# Altium PCB UltraZohm_Digital_Sensor_Board_v1.01.PcbDoc (part 1 of 4) (continued)
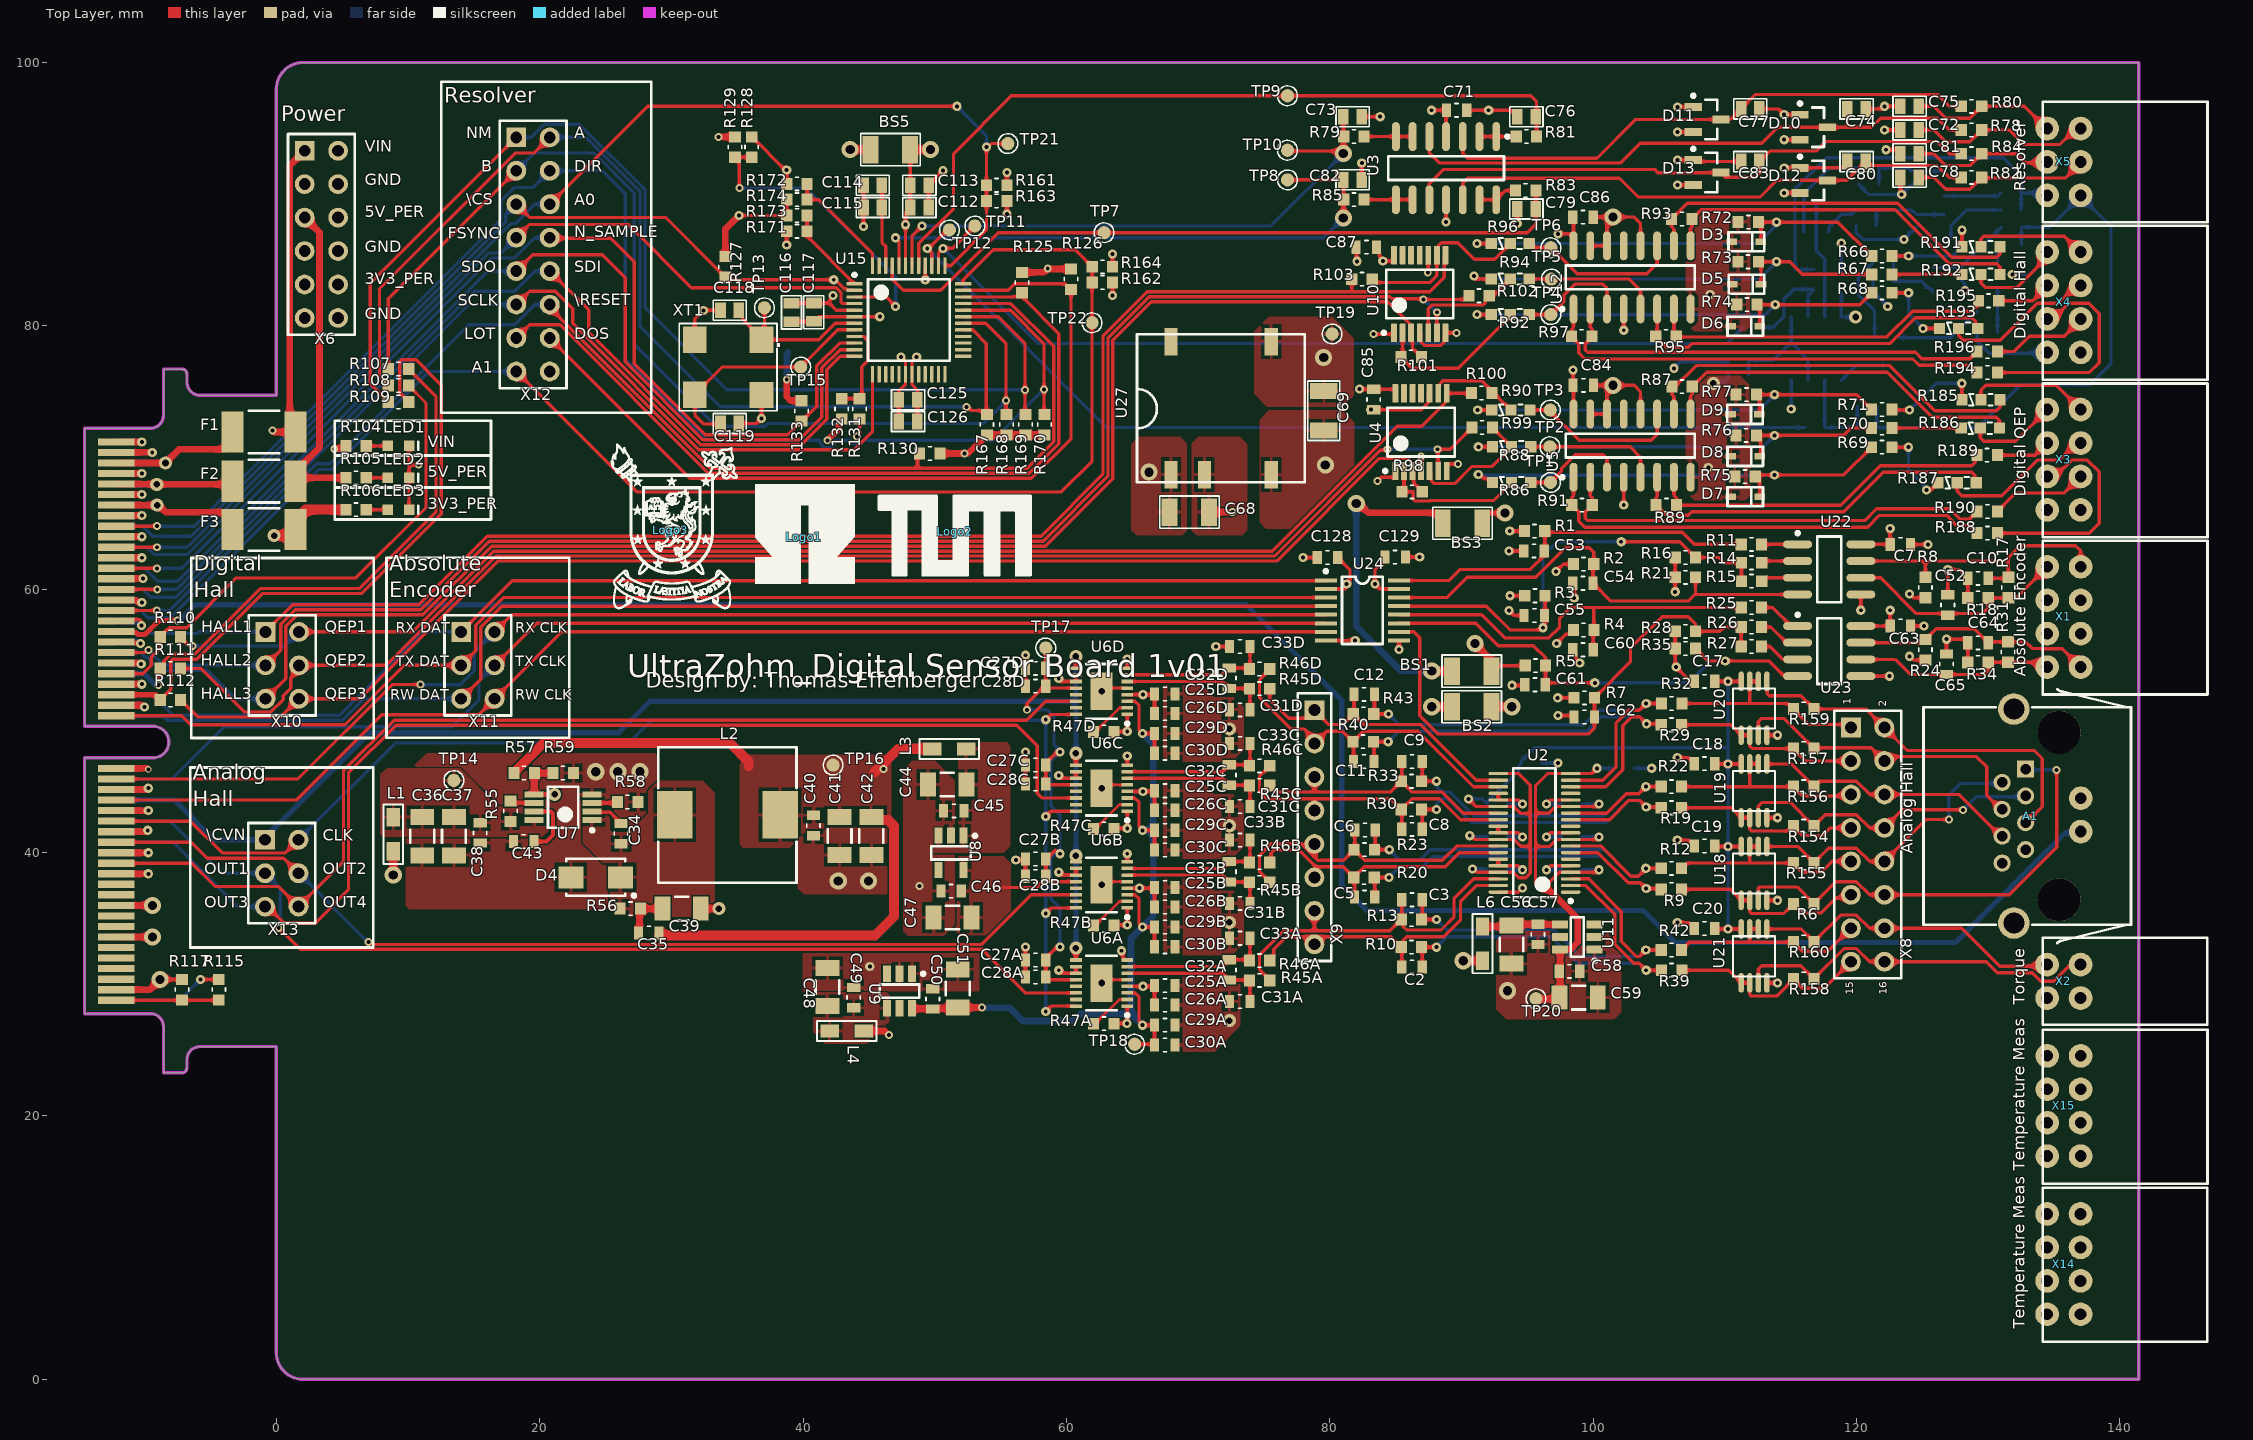
[diagram p0: Top Layer view]
## Components (designator, comment, footprint, x,y, rotation, side; value= is the part's Value field where it differs from the comment)
A1 "615008140621" 615008140621 132.967,42.778 r90 top
BS1 "Ferrite bead" RES_1206 92.285,53.781 r90 top
BS2 "Ferrite bead" RES_1206 92.285,51.081 r90 top
BS3 "Ferrite bead" RES_1206 91.585,65.007 r90 top
BS5 "Ferrite bead" RES_1206 48.13,93.388 r90 top
C2 "56pF" CAPC1608X07N 86.245,31.321 r180 top
C3 "56pF" CAPC1608X07N 86.245,36.421 r180 top
C5 "56pF" CAPC1608X07N 82.645,36.621 r180 top
C6 "56pF" CAPC1608X07N 82.67,41.721 r180 top
C7 "100nF" CAPC1608X07N 123.33,63.406 r0 top
C8 "56pF" CAPC1608X07N 86.245,41.771 r180 top
C9 "56pF" CAPC1608X07N 86.245,46.921 r180 top
C10 "1nF" CAPC1608X07N 129.23,60.831 r180 top
C11 "56pF" CAPC1608X07N 82.585,46.921 r180 top
C12 "56pF" CAPC1608X07N 82.61,52.021 r180 top
C13 "100nF" CAPC1608X07N 98.357,38.696 r180 bottom
C14 "100nF" CAPC1608X07N 98.357,41.196 r180 bottom
C15 "100nF" CAPC1608X07N 98.357,43.696 r180 bottom
C16 "100nF" CAPC1608X07N 102.349,46.408 r0 bottom
C17 "100nF" CAPC1608X07N 108.458,53.008 r180 top
C18 "100nF" CAPC1608X07N 108.458,46.752 r180 top
C19 "100nF" CAPC1608X07N 108.458,40.496 r180 top
C20 "100nF" CAPC1608X07N 108.458,34.24 r180 top
C21 "100nF" CAPC1608X07N 95.33,46.796 r0 bottom
C22 "100nF" CAPC1608X07N 92.73,38.696 r0 bottom
C23 "100nF" CAPC1608X07N 92.73,41.196 r0 bottom
C24 "100nF" CAPC1608X07N 92.73,43.696 r0 bottom
C25A "100nF" CAPC1608X07N 67.469,29.896 r0 top (schematic designator C25)
C25B "100nF" CAPC1608X07N 67.469,37.346 r0 top (schematic designator C25)
C25C "100nF" CAPC1608X07N 67.469,44.696 r0 top (schematic designator C25)
C25D "100nF" CAPC1608X07N 67.469,52.046 r0 top (schematic designator C25)
C26A "1uF" CAPC1608X07N 67.469,28.421 r0 top (schematic designator C26)
C26B "1uF" CAPC1608X07N 67.469,35.871 r0 top (schematic designator C26)
C26C "1uF" CAPC1608X07N 67.469,43.221 r0 top (schematic designator C26)
C26D "1uF" CAPC1608X07N 67.469,50.571 r0 top (schematic designator C26)
C27A "100nF" CAPC1608X07N 57.659,31.846 r180 top (schematic designator C27)
C27B "100nF" CAPC1608X07N 57.659,39.521 r180 top (schematic designator C27)
C27C "100nF" CAPC1608X07N 57.659,46.646 r180 top (schematic designator C27)
C27D "100nF" CAPC1608X07N 57.659,53.996 r180 top (schematic designator C27)
C28A "1uF" CAPC1608X07N 57.659,30.548 r180 top (schematic designator C28)
C28B "1uF" CAPC1608X07N 57.659,38.2 r180 top (schematic designator C28)
C28C "1uF" CAPC1608X07N 57.659,45.2 r180 top (schematic designator C28)
C28D "1uF" CAPC1608X07N 57.659,52.638 r180 top (schematic designator C28)
C29A "100nF" CAPC1608X07N 67.469,26.896 r0 top (schematic designator C29)
C29B "100nF" CAPC1608X07N 67.469,34.346 r0 top (schematic designator C29)
C29C "100nF" CAPC1608X07N 67.469,41.696 r0 top (schematic designator C29)
C29D "100nF" CAPC1608X07N 67.469,49.046 r0 top (schematic designator C29)
C30A "10uF" CAPC1608X07N 67.469,25.396 r0 top (schematic designator C30)
C30B "10uF" CAPC1608X07N 67.469,32.846 r0 top (schematic designator C30)
C30C "10uF" CAPC1608X07N 67.469,40.196 r0 top (schematic designator C30)
C30D "10uF" CAPC1608X07N 67.469,47.546 r0 top (schematic designator C30)
C31A "680pF" CAPC1608X07N 73.169,28.696 r0 top (schematic designator C31)
C31B "680pF" CAPC1608X07N 73.169,36.146 r0 top (schematic designator C31)
C31C "680pF" CAPC1608X07N 73.169,43.496 r0 top (schematic designator C31)
C31D "680pF" CAPC1608X07N 73.169,50.846 r0 top (schematic designator C31)
C32A "470pF" CAPC1608X07N 72.369,31.096 r90 top (schematic designator C32)
C32B "470pF" CAPC1608X07N 72.369,38.546 r90 top (schematic designator C32)
C32C "470pF" CAPC1608X07N 72.369,45.896 r90 top (schematic designator C32)
C32D "470pF" CAPC1608X07N 72.369,53.246 r90 top (schematic designator C32)
C33A "680pF" CAPC1608X07N 73.169,33.496 r180 top (schematic designator C33)
C33B "680pF" CAPC1608X07N 73.169,40.946 r180 top (schematic designator C33)
C33C "680pF" CAPC1608X07N 73.169,48.296 r180 top (schematic designator C33)
C33D "680pF" CAPC1608X07N 73.169,55.646 r180 top (schematic designator C33)
C34 "10nF" CAPC1608X07N 26.18,41.446 r270 top
C35 "7.5nF" CAPC1608X07N 28.288,33.889 r180 top
C36 "10µF" C_1206 11.08,41.246 r270 top
C37 "10µF" C_1206 13.48,41.246 r270 top
C38 "100nF" CAPC1608X07N 15.48,41.5 r270 top
C39 "0.027µF" C_1206 30.78,35.746 r0 top
C40 "100nF" CAPC1608X07N 40.78,42.061 r90 top
C41 "47µF" C_1206 42.78,41.261 r270 top
C42 "47µF" C_1206 45.18,41.261 r270 top
C43 "1u" CAPC1608X07N 18.785,40.841 r180 top
C44 "10µF" C_1206 50.946,45.173 r180 top
C45 "100nF" CAPC1608X07N 51.446,43.173 r180 top
C46 "100nF" CAPC1608X07N 51.246,37.073 r180 top
C47 "47µF" C_1206 51.346,35.073 r180 top
C48 "10µF" C_1206 41.847,29.789 r90 top
C49 "100nF" CAPC1608X07N 43.847,28.989 r90 top
C50 "100nF" CAPC1608X07N 49.847,28.889 r90 top
C51 "47µF" C_1206 51.747,29.689 r90 top
C52 "1nF" CAPC1608X07N 126.93,58.806 r90 top
C53 "100nF" CAPC1608X07N 95.507,62.914 r180 top
C54 "100nF" CAPC1608X07N 99.223,60.456 r180 top
C55 "100nF" CAPC1608X07N 95.53,58.006 r180 top
C56 "10µF" C_1206 93.8,33.013 r270 top
C57 "100nF" CAPC1608X07N 95.8,33.788 r270 top
C58 "100nF" CAPC1608X07N 98.2,30.988 r0 top
C59 "47µF" C_1206 98.9,28.988 r0 top
C60 "100nF" CAPC1608X07N 99.23,55.406 r180 top
C61 "100nF" CAPC1608X07N 95.583,52.747 r180 top
C62 "100nF" CAPC1608X07N 99.33,50.306 r180 top
C63 "100nF" CAPC1608X07N 123.33,57.206 r0 top
C64 "1nF" CAPC1608X07N 129.23,55.931 r180 top
C65 "1nF" CAPC1608X07N 126.83,54.306 r90 top
C66 "120pF" CAP_0603 120.055,73.878 r270 bottom
C67 "100nF" CAPC1608X07N 118.849,83.278 r90 bottom
C68 "1uF" RES_1206 70.837,65.856 r90 top
C69 "2.2uF" RES_1206 79.537,75.056 r180 top
C70 "120pF" CAP_0603 115.23,82.778 r0 bottom
C71 "100nF" CAPC1608X07N 89.63,96.378 r0 top
C72 "100pF" CAP_0603 123.33,94.878 r90 top
C73 "1nF" CAP_0603 82.43,95.888 r270 top
C74 "1nF" CAP_0603 120.705,96.478 r270 top
C75 "100pF" CAP_0603 123.33,96.678 r90 top
C76 "1nF" CAP_0603 94.23,95.878 r90 top
C77 "1nF" CAP_0603 112.63,96.478 r270 top
C78 "100pF" CAP_0603 123.33,91.278 r90 top
C79 "1nF" CAP_0603 94.23,88.878 r90 top
C80 "1nF" CAP_0603 119.305,92.478 r90 top
C81 "100pF" CAP_0603 123.33,93.078 r90 top
C82 "1nF" CAP_0603 82.43,91.088 r270 top
C83 "1nF" CAP_0603 111.23,92.478 r90 top
C84 "100n" CAPC1608X07N 99.253,75.486 r0 top
C85 "100n" CAPC1608X07N 83.335,74.414 r270 top
C86 "100n" CAPC1608X07N 99.23,88.256 r0 top
C87 "100n" CAPC1608X07N 82.774,85.977 r180 top
C112 "10nF" CAP_0603 49.53,88.988 r270 top
C113 "4.7uF" CAP_0603 49.53,90.688 r270 top
C114 "10uF" CAP_0603 45.99,90.688 r270 top
C115 "10nF" CAP_0603 45.99,88.988 r270 top
C116 "4.7uF" CAP_0603 39.12,81.728 r0 top
C117 "10nF" CAP_0603 40.82,81.738 r0 top
C118 "20pF" CAP_0603 33.73,81.188 r90 top
C119 "20pF" CAP_0603 35.13,72.588 r270 top
C125 "10nF" CAP_0603 48.68,74.398 r270 top
C126 "4.7uF" CAP_0603 48.68,72.743 r270 top
C128 "100nF" CAPC1608X07N 79.83,62.406 r180 top
C129 "100nF" CAPC1608X07N 84.97,62.439 r0 top
D1 "Diode Array" SOT-23 122.334,77.991 r270 bottom
D2 "Diode Array" SOT-23 116.934,88.263 r90 bottom
D3 "TVS DIODE" SOD-323 111.634,86.4 r180 top
D4 "BYS12-90" DIOM4227X23N 24.28,38.146 r180 top
D5 "TVS DIODE" SOD-323 111.648,83.17 r180 top
D6 "TVS DIODE" SOD-323 111.554,79.97 r180 top
D7 "TVS DIODE" SOD-323 111.554,67.027 r180 top
D8 "TVS DIODE" SOD-323 111.554,70.086 r180 top
D9 "TVS DIODE" SOD-323 111.53,73.278 r180 top
D10 "Diode Array Schottky" SOT-23 116.83,95.078 r0 top
D11 "Diode Array Schottky" SOT-23 108.725,95.668 r0 top
D12 "Diode Array Schottky" SOT-23 116.83,91.04 r0 top
D13 "Diode Array Schottky" SOT-23 108.725,91.63 r0 top
F1 "PTC, 1.1A, 24V" 1812_PTC_Polyfuse_Littelfuse -0.942,71.937 r0 top
F2 "PTC, 1.1A, 24V" 1812_PTC_Polyfuse_Littelfuse -0.942,68.21 r0 top
F3 "PTC, 1.1A, 24V" 1812_PTC_Polyfuse_Littelfuse -0.942,64.54 r0 top
L1 "600Ω" "WE-CBF_0805_High Current" 8.88,41.396 r90 top
L2 "150mH" SMT_inductor_1050_Performance 34.251,42.861 r90 top
L3 "600Ω" "WE-CBF_0805_High Current" 51.096,47.873 r0 top
L4 "600Ω" "WE-CBF_0805_High Current" 43.322,26.454 r180 top
L6 "600Ω" "WE-CBF_0805_High Current" 91.6,33.088 r90 top
LED1 "150060BS75000" 0603_A 9.276,70.884 r180 top
LED2 "150060RS75000" 0603_A 9.276,68.463 r180 top
LED3 "150060GS75000" 0603_A 9.276,66.043 r180 top
Logo1 "LOGO G.S. Ohm" "Logo G.S.Ohm University" 40.08,63.949 r0 top
Logo2 "LOGO TUM" "Logo TUM" 51.56,64.381 r0 top
Logo3 "LOGO USACH" "Logo Usach" 29.94,64.47 r0 top
Q1 "Transistor NPN" SOT-23 126.934,83.5 r0 bottom
Q2 "Transistor PNP" SOT-23 131.834,83.9 r0 bottom
Q3 "Transistor NPN" SOT-23 125.534,87.5 r180 bottom
Q4 "Transistor PNP" SOT-23 125.534,90.8 r180 bottom
R1 "1k" RESC1608X06N 95.557,64.414 r180 top
R2 "1k" RESC1608X06N 99.273,61.906 r180 top
R3 "1k" RESC1608X06N 95.58,59.506 r180 top
R4 "1k" RESC1608X06N 99.28,56.899 r180 top
R5 "1k" RESC1608X06N 95.615,54.198 r180 top
R6 "0R" RESC1608X06N 115.993,36.108 r180 top
R7 "1k" RESC1608X06N 99.33,51.756 r180 top
R8 "1k" RESC1608X06N 125.23,60.131 r270 top
R9 "1k" RESC1608X06N 105.943,37.208 r180 top
R10 "1k" RESC1608X06N 86.195,32.821 r180 top
R11 "22" RESC1608X06N 112.017,63.411 r180 top
R12 "1k" RESC1608X06N 105.943,38.808 r0 top
R13 "1k" RESC1608X06N 86.195,34.921 r180 top
R14 "0R" RESC1608X06N 112.03,62.011 r0 top
R15 "0R" RESC1608X06N 112.03,60.611 r0 top
R16 "10k" RESC1608X06N 107.003,62.406 r0 top
R17 "120" RESC1608X06N 131.53,60.131 r270 top
R18 "1k" RESC1608X06N 129.23,59.331 r0 top
R19 "1k" RESC1608X06N 105.943,43.408 r180 top
R20 "1k" RESC1608X06N 82.595,38.113 r180 top
R21 "10k" RESC1608X06N 107.003,60.906 r0 top
R22 "1k" RESC1608X06N 105.943,45.008 r0 top
R23 "1k" RESC1608X06N 82.62,40.221 r180 top
R24 "1k" RESC1608X06N 125.23,55.406 r270 top
R25 "22" RESC1608X06N 112.017,58.613 r180 top
R26 "0R" RESC1608X06N 112.017,57.13 r0 top
R27 "0R" RESC1608X06N 112.017,55.646 r0 top
R28 "10k" RESC1608X06N 107.003,56.806 r0 top
R29 "1k" RESC1608X06N 105.943,49.708 r180 top
R30 "1k" RESC1608X06N 86.195,43.271 r180 top
R31 "120" RESC1608X06N 131.501,55.231 r270 top
R32 "1k" RESC1608X06N 105.968,51.326 r0 top
R33 "1k" RESC1608X06N 86.195,45.421 r180 top
R34 "1k" RESC1608X06N 129.23,54.431 r0 top
R35 "10k" RESC1608X06N 107.003,55.498 r0 top
R36 "15.4k" RESC1608X06N 120.755,72.278 r0 bottom
R37 "22k" RESC1608X06N 111.03,77.278 r180 bottom
R38 "2.2k" RESC1608X06N 122.034,83.4 r180 bottom
R39 "1k" RESC1608X06N 105.968,31.066 r180 top
R40 "1k" RESC1608X06N 82.535,48.421 r180 top
R41 "3.3" RESC1608X06N 122.034,84.8 r0 bottom
R42 "1k" RESC1608X06N 105.943,32.608 r0 top
R43 "1k" RESC1608X06N 82.56,50.521 r180 top
R44 "10k" RESC1608X06N 111.032,76.061 r0 bottom
R45A "24R9" RESC1608X06N 74.669,30.296 r180 top (schematic designator R45)
R45B "24R9" RESC1608X06N 74.669,37.746 r180 top (schematic designator R45)
R45C "24R9" RESC1608X06N 74.669,45.096 r180 top (schematic designator R45)
R45D "24R9" RESC1608X06N 74.669,52.446 r180 top (schematic designator R45)
R46A "24R9" RESC1608X06N 74.669,31.794 r180 top (schematic designator R46)
R46B "24R9" RESC1608X06N 74.669,39.244 r180 top (schematic designator R46)
R46C "24R9" RESC1608X06N 74.669,46.594 r180 top (schematic designator R46)
R46D "24R9" RESC1608X06N 74.669,53.944 r180 top (schematic designator R46)
R47A "0R" RESC1608X06N 62.84,27.006 r180 top (schematic designator R47)
R47B "0R" RESC1608X06N 62.84,34.456 r180 top (schematic designator R47)
R47C "0R" RESC1608X06N 62.84,41.806 r180 top (schematic designator R47)
R47D "0R" RESC1608X06N 62.84,49.156 r180 top (schematic designator R47)
R48 "10k" RESC1608X06N 116.834,72.278 r180 bottom
R49 "4R7" RESC1608X06N 131.757,87.5 r0 bottom
R50 "4R7" RESC1608X06N 131.757,86.142 r180 bottom
R51 "3.3" RESC1608X06N 129.934,81.1 r0 bottom
R52 "2.2k" RESC1608X06N 129.934,79.5 r180 bottom
R53 "15.4k" RESC1608X06N 116.744,83.5 r90 bottom
R54 "2.2k" RESC1608X06N 120.734,87.6 r180 bottom
R55 "162k" RESC1608X06N 17.78,43.146 r90 top
R56 "75k" RESC1608X06N 26.88,35.746 r0 top
R57 "1k" RESC1608X06N 18.818,46.041 r180 top
R58 "133k" RESC1608X06N 26.68,43.846 r180 top
R59 "1k" RESC1608X06N 21.784,46.041 r180 top
R60 "3.3" RESC1608X06N 120.734,88.8 r0 bottom
R61 "10k" RESC1608X06N 112.147,79.891 r180 bottom
R62 "4R7" RESC1608X06N 131.734,88.8 r0 bottom
R63 "4R7" RESC1608X06N 131.734,90.1 r180 bottom
R64 "3.3" RESC1608X06N 120.93,91.978 r0 bottom
R65 "2.2k" RESC1608X06N 120.93,90.778 r180 bottom
R66 "3.5k" RESC1608X06N 121.93,85.311 r180 top
R67 "3.5k" RESC1608X06N 121.93,83.911 r180 top
R68 "3.5k" RESC1608X06N 121.93,82.511 r180 top
R69 "3.5k" RESC1608X06N 121.925,70.786 r180 top
R70 "3.5k" RESC1608X06N 121.925,72.239 r180 top
R71 "3.5k" RESC1608X06N 121.925,73.647 r180 top
R72 "3.5k" RESC1608X06N 111.781,87.878 r180 top
R73 "3.5k" RESC1608X06N 111.775,84.87 r180 top
R74 "3.5k" RESC1608X06N 111.68,81.611 r180 top
R75 "3.5k" RESC1608X06N 111.534,68.551 r180 top
R76 "3.5k" RESC1608X06N 111.625,71.686 r180 top
R77 "3.5k" RESC1608X06N 111.63,74.778 r180 top
R78 "100" RESC1608X06N 128.73,94.878 r180 top
R79 "4.7k" RESC1608X06N 81.83,94.378 r180 top
R80 "100" RESC1608X06N 128.73,96.678 r180 top
R81 "4.7k" RESC1608X06N 94.93,94.388 r0 top
R82 "100" RESC1608X06N 128.73,91.278 r180 top
R83 "4.7k" RESC1608X06N 94.88,90.278 r0 top
R84 "100" RESC1608X06N 128.73,93.078 r180 top
R85 "4.7k" RESC1608X06N 81.83,89.588 r180 top
R86 "dnp" 0603_Config 93.78,68.111 r180 top value=10k
R87 "120" RESC1608X06N 106.753,75.386 r0 top
R88 "dnp" 0603_Config 93.78,70.819 r180 top value=10k
R89 "120" RESC1608X06N 105.553,66.386 r0 top
R90 "dnp" 0603_Config 93.729,73.611 r180 top value=10k
R91 "120" RESC1608X06N 99.153,66.386 r180 top
R92 "dnp" 0603_Config 93.68,80.856 r180 top value=10k
R93 "120" RESC1608X06N 106.73,88.111 r0 top
R94 "dnp" 0603_Config 93.68,83.556 r180 top value=10k
R95 "120" RESC1608X06N 105.53,79.211 r0 top
R96 "dnp" 0603_Config 93.68,86.256 r180 top value=10k
R97 "120" RESC1608X06N 99.13,79.211 r180 top
R98 "0R" RESC1608X06N 86.25,67.402 r0 top
R99 "0R" RESC1608X06N 91.573,72.288 r180 top
R100 "0R" RESC1608X06N 91.536,74.905 r180 top
R101 "0R" RESC1608X06N 86.185,77.638 r0 top
R102 "0R" RESC1608X06N 91.341,82.29 r180 top
R103 "0R" RESC1608X06N 82.445,83.546 r180 top
R104 "24.9k" RESC1608X06N 6.059,70.884 r180 top
R105 "3.01k" RESC1608X06N 6.059,68.463 r180 top
R106 "1.3k" RESC1608X06N 6.059,66.043 r180 top
R107 "0R" RESC1608X06N 9.281,74.212 r0 top
R108 "0R" RESC1608X06N 9.281,75.479 r0 top
R109 "0R" RESC1608X06N 9.281,76.721 r0 top
R110 "0R" RESC1608X06N -8.048,56.377 r180 top
R111 "0R" RESC1608X06N -8.048,53.986 r180 top
R112 "0R" RESC1608X06N -8.048,51.595 r180 top
R115 "0R" RESC1608X06N -4.37,29.588 r90 top
R117 "0R" RESC1608X06N -7.17,29.588 r270 top
R125 "10k" RESC1608X06N 56.63,83.288 r270 top
R126 "10k" RESC1608X06N 60.355,83.546 r270 top
R127 "15k" RESC1608X06N 34.106,84.484 r90 top
R128 "10k" RESC1608X06N 36.099,93.58 r90 top
R129 "10k" RESC1608X06N 34.83,93.58 r270 top
R130 "7k5" RESC1608X06N 49.624,70.312 r0 top
R131 "10k" RESC1608X06N 44.281,73.696 r270 top
R132 "10k" RESC1608X06N 42.935,73.696 r90 top
R133 "15k" RESC1608X06N 39.88,73.545 r90 top
R154 "0R" RESC1608X06N 115.993,42.008 r180 top
R155 "0R" RESC1608X06N 115.993,39.208 r180 top
R156 "0R" RESC1608X06N 115.993,45.008 r180 top
R157 "0R" RESC1608X06N 115.993,47.908 r180 top
R158 "0R" RESC1608X06N 115.993,30.408 r180 top
R159 "0R" RESC1608X06N 115.993,50.908 r180 top
R160 "0R" RESC1608X06N 115.993,33.208 r180 top
R161 "10k" RESC1608X06N 54.703,90.68 r0 top
R162 "10k" RESC1608X06N 62.73,83.288 r0 top
R163 "10k" RESC1608X06N 54.703,89.48 r180 top
R164 "10k" RESC1608X06N 62.73,84.488 r180 top
R167 "10k" RESC1608X06N 53.958,72.496 r90 top
R168 "10k" RESC1608X06N 55.452,72.496 r90 top
R169 "10k" RESC1608X06N 56.898,72.496 r90 top
R170 "10k" RESC1608X06N 58.333,72.496 r90 top
R171 "10k" RESC1608X06N 39.53,87.188 r180 top
R172 "10k" RESC1608X06N 39.53,90.788 r180 top
R173 "10k" RESC1608X06N 39.53,88.388 r0 top
R174 "10k" RESC1608X06N 39.53,89.588 r0 top
R185 "dnp" 0603_Config 129.425,74.386 r180 top value=10k
R186 "dnp" 0603_Config 129.375,72.239 r180 top value=10k
R187 "dnp" 0603_Config 127.625,68.086 r180 top value=10k
R188 "0R" RESC1608X06N 129.93,64.263 r180 top
R189 "0R" RESC1608X06N 129.925,70.186 r0 top
R190 "0R" RESC1608X06N 129.93,65.911 r180 top
R191 "dnp" 0603_Config 129.43,86.011 r180 top value=10k
R192 "dnp" 0603_Config 129.43,83.911 r180 top value=10k
R193 "dnp" 0603_Config 127.73,79.811 r180 top value=10k
R194 "0R" RESC1608X06N 129.93,76.461 r180 top
R195 "0R" RESC1608X06N 130.03,81.911 r0 top
R196 "0R" RESC1608X06N 129.93,78.061 r180 top
TP1 "VCC" TP_1mm 96.761,68.111 r0 top value="Testpoint 1mm"
TP2 "VCC" TP_1mm 96.721,70.819 r90 top value="Testpoint 1mm"
TP3 "VCC" TP_1mm 96.748,73.611 r90 top value="Testpoint 1mm"
TP4 "VCC" TP_1mm 96.785,80.856 r90 top value="Testpoint 1mm"
TP5 "VCC" TP_1mm 96.827,83.556 r90 top value="Testpoint 1mm"
TP6 "VCC" TP_1mm 96.785,85.934 r90 top value="Testpoint 1mm"
TP7 "VCC" TP_1mm 62.857,87.078 r90 top value="Testpoint 1mm"
TP8 "VCC" TP_1mm 76.789,91.088 r90 top value="Testpoint 1mm"
TP9 "VCC" TP_1mm 76.789,97.478 r90 top value="Testpoint 1mm"
TP10 "VCC" TP_1mm 76.789,93.336 r90 top value="Testpoint 1mm"
TP11 "VCC" TP_1mm 53.046,87.588 r90 top value="Testpoint 1mm"
TP12 "VCC" TP_1mm 51.117,87.286 r90 top value="Testpoint 1mm"
TP13 "VCC" TP_1mm 37.064,81.374 r90 top value="Testpoint 1mm"
TP14 "VIN" TP_1mm 13.48,45.48 r90 top value="Testpoint 1mm"
TP15 "VCC" TP_1mm 39.82,76.878 r90 top value="Testpoint 1mm"
TP16 "VCC" TP_1mm 42.279,46.646 r90 top value="Testpoint 1mm"
TP17 "OVCC" TP_1mm 58.434,55.544 r90 top value="Testpoint 1mm"
TP18 "VREF" TP_1mm 65.18,25.446 r90 top value="Testpoint 1mm"
TP19 "VCC" TP_1mm 80.176,79.387 r90 top value="Testpoint 1mm"
TP20 "VCOM" TP_1mm 95.661,28.9 r90 top value="Testpoint 1mm"
TP21 "VCC" TP_1mm 55.553,93.845 r90 top value="Testpoint 1mm"
TP22 "VCC" TP_1mm 61.945,80.237 r90 top value="Testpoint 1mm"
U1 "2 Channel Opamp" SOIC8_N 116.944,78.278 r270 bottom
U2 "THS4524" TSSOP38 95.543,41.5 r180 top
U3 "LT1639" SOIC-14 88.83,91.978 r270 top
U4 "SN74LV4T125PWR" PW0014A_N 86.935,71.929 r90 top
U5 "Differential Receiver" SOIC-16 102.958,70.907 r270 top
U6A "LTC2311" LTC2311-16 62.669,30.096 r180 top (schematic designator U6)
U6B "LTC2311" LTC2311-16 62.669,37.546 r180 top (schematic designator U6)
U6C "LTC2311" LTC2311-16 62.669,44.896 r180 top (schematic designator U6)
U6D "LTC2311" LTC2311-16 62.669,52.246 r180 top (schematic designator U6)
U7 "LM5007" TSOP65P490X110-8N 21.78,43.446 r180 top
U8 "TLV741P" SOT95P250X110-5N 51.246,39.973 r270 top
U9 "LT6654" SOT95P280X100-6N 47.314,29.489 r270 top
U10 "SN74LV4T125PWR" PW0014A_N 86.83,82.42 r90 top
U11 "LT6654" SOT95P280X100-6N 98.8,33.6 r180 top
U12 "Differential Receiver" SOIC-16 102.958,83.683 r270 top
U15 "AD2S1210" LQFP-48_L 48.03,80.446 r0 top
U18 "LT6203" 8-MSOP 112.174,38.428 r90 top
U19 "LT6203" 8-MSOP 112.174,44.697 r90 top
U20 "LT6203" 8-MSOP 112.174,50.966 r90 top
U21 "LT6203" 8-MSOP 112.174,32.158 r90 top
U22 "RS485 Transmitter" SOIC8_N 117.93,61.506 r180 top
U23 "RS485 Transmitter" SOIC8_N 117.93,55.306 r180 top
U24 "Level Shifter 3.3V/5V" TSSO5x6-G16 82.48,58.391 r270 top
U27 "Isolated DC-DC Converter" "DC/DC 24V-->12V 1W Aislado" 71.747,73.756 r0 top
X1 "Conector 4x2 Horizontal" "CONECTOR 4X2 TH HORIZONTAL" 134.143,57.846 r270 top
X2 "Conector 2x2 Horizontal" "CONECTOR 2X2 TH HORIZONTAL" 146.643,30.226 r270 top
X3 "Conector 4x2 Horizontal" "CONECTOR 4X2 TH HORIZONTAL" 134.143,69.786 r270 top
X4 "Conector 4x2 Horizontal" "CONECTOR 4X2 TH HORIZONTAL" 134.143,81.75 r270 top
X5 "Conector 3x2 Horizontal" "CONECTOR 3X2 TH HORIZONTAL" 146.653,92.45 r270 top
X6 "Header 6X2" HDR2X6 2.152,93.303 r270 top
X7 "Conector 1x2 Horizontal" "CONECTOR 1X2 TH HORIZONTAL" 137.028,41.591 r90 bottom
X8 "Header 8X2" HDR2X8 119.574,49.496 r270 top
X9 "Header 8" HDR1X8 78.83,50.82 r270 top
X10 "Header 3X2" HDR2X3 -0.825,56.763 r270 top
X11 "Header 3X2" HDR2X3 14.036,56.763 r270 top
X12 "Header 8X2" HDR2X8 18.223,94.319 r270 top
X13 "Header 3X2" HDR2X3 -0.86,40.976 r270 top
X14 "Conector 4x2 Horizontal" "CONECTOR 4X2 TH HORIZONTAL" 134.134,8.7 r270 top
X15 "Conector 4x2 Horizontal" "CONECTOR 4X2 TH HORIZONTAL" 134.143,20.708 r270 top
X16 "HSEC8-150-01-XX-DV-A-BL-CARD" HSEC8-150-01-XX-DV-A-BL-CARD -14.553,49.991 r270 bottom
XT1 "8 MHz" CRYSTALOSC 36.73,74.456 r180 top

## Footprints (in the part's own frame and the unit in brackets; to place one, negate y for a bottom-side part, rotate by r counter-clockwise, add the part's x,y. Pads: shape width x height; smd on the part's side, far side on the other; paste and mask are expansions set on the pad)
8-MSOP [mm] "8 Leads, Body 3.1x4.5mm (max), Pitch 0.65mm, IPC Medium Density"
  round 0.508 on Mech15: 0(0,0)
  oval 1.5x0.4 smd paste-0.051: 1(-2.05,0.93) 2(-2.05,0.28) 3(-2.05,-0.37) 4(-2.05,-1.02) 5(2.04,-1.02) 6(2.04,-0.37) 7(2.04,0.28) 8(2.04,0.93)
  silkscreen extent -1.55,-1.64 1.49,1.56, body extent -2.45,-1.53 2.45,1.47, height 1.15
0603_A [mm] "Chip LED, 2-Leads, Body 1.6x0.8mm, IPC Medium Density"
  rect 0.8x0.8 smd: 1(-0.8,0) 2(0.8,0)
  silkscreen extent -1.5,-0.3 -1.5,0.3, body extent -0.8,-0.4 0.8,0.4, height 0.7
0603_Config [mm] "0603 3-Pin Config Footprint"
  rect 0.85x0.85 smd: 1(-1.475,0) 2(-0.025,0) 3(1.425,0)
  silkscreen extent -0.91,-0.43 0.86,0.43, body extent -1.55,-1.14 0.05,0.4, height 2.8
1812_PTC_Polyfuse_Littelfuse [mm] "Chip Fuse, 2-Leads, Body 4.6x3.24mm"
  rect 1.68x3.14 smd: 1(-2.39,0) 2(2.39,0)
  silkscreen extent -1.15,-1.62 1.15,1.62, body extent -2.3,-1.62 2.3,1.62, height 1.15
615008140621 [mm] "Modular Jack Horizontal Shielded with EMI Panel Finger 8P8C Tab Up"
  rect 1.3x1.3 hole 0.8: 1(3.57,0.125)
  round 1.3 hole 0.8: 2(2.55,1.905) 3(1.53,0.125) 4(0.51,1.905) 5(-0.51,0.125) 6(-1.53,1.905) 7(-2.55,0.125) 8(-3.57,1.905)
  round 3.25 hole 3.25 unplated: MH1(-6.35,-2.415) MH2(6.35,-2.415)
  round 2.4 hole 1.6: S1(-8.125,1.015) S2(8.125,1.015)
  silkscreen extent -9.64,-7.88 9.64,7.87, body extent -9.75,-7.88 9.75,7.97, height 14.82
C_1206 [mm]
  rect 1.21x1.82 smd: 1(1.45,0) 2(-1.45,0)
  silkscreen extent -0.5,-0.9 0.5,0.9, body extent -1.6,-0.81 1.6,0.81, height 1.82
CAP_0603 [mm] "CAP CER 0603"
  rect 1.2x0.8 smd: 1(0,0) 2(0,-1.4)
  silkscreen extent -0.76,-1.96 0.76,0.56, body extent -0.39,-1.45 0.41,0.15, height 0.4
CAPC1608X07N [mm] "Chip Capacitor, 2-Leads, Body 1,60x0,80mm, IPC Medium Density"
  rect 0.7x1 smd: 1(-0.775,0) 2(0.775,0)
  silkscreen extent -0.13,-0.51 0.13,0.51, body extent -0.88,-0.48 0.88,0.47, height 0.7
"CONECTOR 1X2 TH HORIZONTAL" [mm] "Pitch 2.54mm P/N: IPL1-102-01-S-S-RA-K"
  round 1.8 hole 0.9: 1(0,0) 2(2.54,0)
  silkscreen extent -2.04,-0.34 4.56,9.62, body extent -2.04,-0.34 4.56,9.62, height 7.06
"CONECTOR 2X2 TH HORIZONTAL" [mm] "Pitch 2.54mm P/N: IPL1-102-01-L-D-RA-K"
  round 1.8 hole 0.9: 1(-1.27,-9.628) 2(-1.27,-12.168) 3(1.27,-9.628) 4(1.27,-12.168)
  silkscreen extent -3.3,-12.51 3.3,0, body extent -3.3,-12.51 3.3,0, height 8.19
"CONECTOR 3X2 TH HORIZONTAL" [mm] "Pitch 2.54mm P/N: IPL1-103-01-L-D-RA-K"
  round 1.8 hole 0.9: 1(-2.54,-9.628) 2(-2.54,-12.168) 3(0,-9.628) 4(0,-12.168) 5(2.54,-9.628) 6(2.54,-12.168)
  silkscreen extent -4.57,-12.51 4.57,0, body extent -4.57,-12.51 4.57,0, height 8.19
"CONECTOR 4X2 TH HORIZONTAL" [mm] "Pitch 2.54mm P/N: IPL1-104-01-L-D-RA-K"
  round 1.8 hole 0.9: 1(-3.86,2.881) 2(-3.86,0.341) 3(-1.32,2.881) 4(-1.32,0.341) 5(1.22,2.881) 6(1.22,0.341) 7(3.76,2.881) 8(3.76,0.341)
  silkscreen extent -5.84,0 5.84,12.51, body extent -5.84,0 5.84,12.51, height 8.19
CRYSTALOSC [mm]
  rect 1.8x2 smd: 1(-0.12,-4.5) 2(4.96,-4.5) 3(4.96,-0.32) 4(-0.12,-0.3)
  silkscreen extent -1.29,-5.72 6.13,0.89, body extent -1.04,-4.86 5.96,0.14, height 1.7
"DC/DC 24V-->12V 1W Aislado" [mm] "CUI Inc. P/N: PDS1-S24-S12-M-TR"
  rect 1x2.1 smd: 1(-3.81,-5.05) 2(-1.27,-5.05) 4(3.81,-5.05) 5(3.81,5.05) 8(-3.81,5.05)
  silkscreen extent -6.39,-5.62 6.35,5.62, body extent -6.35,-5.62 6.35,5.62, height 7
DIOM4227X23N [mm] "Molded Diode, 2-Leads, Body 4,25x2,67mm, IPC Medium Density"
  rect 1.92x1.68 smd: 1(-1.854,0.023) 2(1.906,0.023)
  silkscreen extent -3,-1.38 2.28,1.54, body extent -2.44,-1.37 2.5,1.42, height 2.29
HDR1X8 [mm] "Connector; Header; 8 Position"
  rect 1.5x1.5 hole 0.9: 1(0,0)
  round 1.5 hole 0.9: 2(2.54,0) 3(5.08,0) 4(7.62,0) 5(10.16,0) 6(12.7,0) 7(15.24,0) 8(17.78,0)
  silkscreen extent -1.27,-1.27 19.05,1.27
HDR2X3 [mm] "Connector; Header; 3x2 Position"
  rect 1.5x1.5 hole 0.9: 1(0,0)
  round 1.5 hole 0.9: 2(0,2.54) 3(2.54,0) 4(2.54,2.54) 5(5.08,0) 6(5.08,2.54)
  silkscreen extent -1.27,-1.27 6.35,3.81
HDR2X6 [mm] "Connector; Header; 6x2 Position"
  rect 1.5x1.5 hole 0.9: 1(0,0)
  round 1.5 hole 0.9: 2(0,2.54) 3(2.54,0) 4(2.54,2.54) 5(5.08,0) 6(5.08,2.54) 7(7.62,0) 8(7.62,2.54) 9(10.16,0) 10(10.16,2.54) 11(12.7,0) 12(12.7,2.54)
  silkscreen extent -1.27,-1.27 13.97,3.81
HDR2X8 [mm] "Connector; Header; 8x2 Position"
  rect 1.5x1.5 hole 0.9: 1(0,0)
  round 1.5 hole 0.9: 2(0,2.54) 3(2.54,0) 4(2.54,2.54) 5(5.08,0) 6(5.08,2.54) 7(7.62,0) 8(7.62,2.54) 9(10.16,0) 10(10.16,2.54) 11(12.7,0) 12(12.7,2.54) 13(15.24,0) 14(15.24,2.54) 15(17.78,0) 16(17.78,2.54)
  silkscreen extent -1.27,-1.27 19.05,3.81
HSEC8-150-01-XX-DV-A-BL-CARD [mm]
  rect 0.55x2.8 smd far side mask+0.05: 1(-21.2,-2.4) 3(-20.4,-2.4) 5(-19.6,-2.4) 7(-18.8,-2.4) 9(-18,-2.4) 11(-17.2,-2.4) 13(-16.4,-2.4) 15(-15.6,-2.4) 17(-14.8,-2.4) 19(-14,-2.4) 21(-13.2,-2.4) 23(-12.4,-2.4) 25(-11.6,-2.4) 27(-10.8,-2.4) 29(-10,-2.4) 31(-9.2,-2.4) 33(-8.4,-2.4) 35(-7.6,-2.4) 37(-6.8,-2.4) 39(-6,-2.4) 41(-5.2,-2.4) 43(-4.4,-2.4) 45(-3.6,-2.4) 47(-2.8,-2.4) 49(-2,-2.4) 51(-1.2,-2.4) 53(-0.4,-2.4) 55(3.6,-2.4) 57(4.4,-2.4) 59(5.2,-2.4) 61(6,-2.4) 63(6.8,-2.4) 65(7.6,-2.4) 67(8.4,-2.4) 69(9.2,-2.4) 71(10,-2.4) 73(10.8,-2.4) 75(11.6,-2.4) 77(12.4,-2.4) 79(13.2,-2.4) 81(14,-2.4) 83(14.8,-2.4) 85(15.6,-2.4) 87(16.4,-2.4) 89(17.2,-2.4) 91(18,-2.4) 93(18.8,-2.4) 95(19.6,-2.4) 97(20.4,-2.4) 99(21.2,-2.4)
  rect 0.55x2.8 smd mask+0.05: 2(-21.2,-2.4) 4(-20.4,-2.4) 6(-19.6,-2.4) 8(-18.8,-2.4) 10(-18,-2.4) 12(-17.2,-2.4) 14(-16.4,-2.4) 16(-15.6,-2.4) 18(-14.8,-2.4) 20(-14,-2.4) 22(-13.2,-2.4) 24(-12.4,-2.4) 26(-11.6,-2.4) 28(-10.8,-2.4) 30(-10,-2.4) 32(-9.2,-2.4) 34(-8.4,-2.4) 36(-7.6,-2.4) 38(-6.8,-2.4) 40(-6,-2.4) 42(-5.2,-2.4) 44(-4.4,-2.4) 46(-3.6,-2.4) 48(-2.8,-2.4) 50(-2,-2.4) 52(-1.2,-2.4) 54(-0.4,-2.4) 56(3.6,-2.4) 58(4.4,-2.4) 60(5.2,-2.4) 62(6,-2.4) 64(6.8,-2.4) 66(7.6,-2.4) 68(8.4,-2.4) 70(9.2,-2.4) 72(10,-2.4) 74(10.8,-2.4) 76(11.6,-2.4) 78(12.4,-2.4) 80(13.2,-2.4) 82(14,-2.4) 84(14.8,-2.4) 86(15.6,-2.4) 88(16.4,-2.4) 90(17.2,-2.4) 92(18,-2.4) 94(18.8,-2.4) 96(19.6,-2.4) 98(20.4,-2.4) 100(21.2,-2.4)
"Logo G.S.Ohm University" [mm] "9.5 x 12.6 mm"
  silkscreen extent -3.72,-3.5 3.83,4.01
"Logo TUM" [mm] "9.5 x 12.6 mm"
  silkscreen extent -5.87,-3.37 5.79,2.8
"Logo Usach" [mm] "9.5 x 12.6 mm"
  silkscreen extent -4.53,-5.94 5.09,6.59
LQFP-48_L [mm] "QFP, 48-Leads, Body 7x7mm, Pitch 0.5mm, IPC High Density"
  rrect40% 1.25x0.25 smd: 1(-4.125,2.75) 2(-4.125,2.25) 3(-4.125,1.75) 4(-4.125,1.25) 5(-4.125,0.75) 6(-4.125,0.25) 7(-4.125,-0.25) 8(-4.125,-0.75) 9(-4.125,-1.25) 10(-4.125,-1.75) 11(-4.125,-2.25) 12(-4.125,-2.75) 25(4.125,-2.75) 26(4.125,-2.25) 27(4.125,-1.75) 28(4.125,-1.25) 29(4.125,-0.75) 30(4.125,-0.25) 31(4.125,0.25) 32(4.125,0.75) 33(4.125,1.25) 34(4.125,1.75) 35(4.125,2.25) 36(4.125,2.75)
  rrect40% 0.25x1.25 smd: 13(-2.75,-4.125) 14(-2.25,-4.125) 15(-1.75,-4.125) 16(-1.25,-4.125) 17(-0.75,-4.125) 18(-0.25,-4.125) 19(0.25,-4.125) 20(0.75,-4.125) 21(1.25,-4.125) 22(1.75,-4.125) 23(2.25,-4.125) 24(2.75,-4.125) 37(2.75,4.125) 38(2.25,4.125) 39(1.75,4.125) 40(1.25,4.125) 41(0.75,4.125) 42(0.25,4.125) 43(-0.25,4.125) 44(-0.75,4.125) 45(-1.25,4.125) 46(-1.75,4.125) 47(-2.25,4.125) 48(-2.75,4.125)
  silkscreen extent -4.25,-3.1 3.1,3.55, body extent -4.51,-4.51 4.51,4.51, height 1.5
LTC2311-16 [mm]
  rect 0.9x0.27 smd mask+0.05: 1(-1.95,1.75) 2(-1.95,1.25) 3(-1.95,0.75) 4(-1.95,0.25) 5(-1.95,-0.25) 6(-1.95,-0.75) 7(-1.95,-1.25) 8(-1.95,-1.75) 9(1.95,-1.75) 10(1.95,-1.25) 11(1.95,-0.75) 12(1.95,-0.25) 13(1.95,0.25) 14(1.95,0.75) 15(1.95,1.25) 16(1.95,1.75)
  rect 1.65x2.85 smd: 17(0,0)
  silkscreen extent -2.08,-2.08 1.15,2.57, body extent -1.55,-2.05 1.55,2.05, height 1.1
PW0014A_N [mm] "SOP, 14-Leads, Body 5.1x4.5mm, Pitch 0.65mm, IPC Medium Density"
  rrect22% 1.4x0.45 smd: 1(-2.95,1.95) 2(-2.95,1.3) 3(-2.95,0.65) 4(-2.95,0) 5(-2.95,-0.65) 6(-2.95,-1.3) 7(-2.95,-1.95) 8(2.95,-1.95) 9(2.95,-1.3) 10(2.95,-0.65) 11(2.95,0) 12(2.95,0.65) 13(2.95,1.3) 14(2.95,1.95)
  silkscreen extent -3.07,-2.55 1.85,2.85, body extent -3.21,-2.5 3.21,2.5, height 1
RES_1206 [mm] "RES 1206"
  rect 2.1x1.2 smd: 1(0,0) 2(0,3)
  silkscreen extent -1.22,-0.76 1.22,3.76, body extent -0.78,-0.1 0.82,3.1, height 0.6
RESC1608X06N [mm] "Chip Resistor, 2-Leads, Body 1,60x0,80mm, IPC Medium Density"
  rect 0.85x0.9 smd: 1(-0.775,0) 2(0.775,0)
  silkscreen extent -0.13,-0.51 0.13,0.51, body extent -0.85,-0.45 0.85,0.45, height 0.55
SMT_inductor_1050_Performance [mm] "SMD Shielded Power Inductor, 2-leads, body 10.3x10.5mm"
  rect 3.6x2.7 smd: 1(0,4) 2(0,-4)
  silkscreen extent -5.15,-5.25 5.15,5.25, body extent -5,-5 5,5, height 4.79
SOD-323 [mm]
  rect 0.8x0.5 smd: 1(-1.1,0) 2(1.1,0)
  silkscreen extent -1.35,-0.72 1.35,0.73, body extent -1.35,-0.73 1.35,0.72, height 1.1
SOIC8_N [mm] "SOIC, 8-Leads, Body 4.9x3.9mm, Pitch 1.27mm, IPC Medium Density"
  oval 2.2x0.6 smd: 1(2.4,-1.905) 2(2.4,-0.635) 3(2.4,0.635) 4(2.4,1.905) 5(-2.4,1.905) 6(-2.4,0.635) 7(-2.4,-0.635) 8(-2.4,-1.905)
  silkscreen extent -0.9,-2.88 2.52,2.5, body extent -3.1,-2.5 3.1,2.5, height 1.76
SOIC-14 [mm] "SOIC, 14-Leads, Body 8.7x3.9mm, Pitch 1.27mm, IPC Medium Density"
  oval 2.2x0.6 smd: 1(-2.4,3.81) 2(-2.4,2.54) 3(-2.4,1.27) 4(-2.4,0) 5(-2.4,-1.27) 6(-2.4,-2.54) 7(-2.4,-3.81) 8(2.4,-3.81) 9(2.4,-2.54) 10(2.4,-1.27) 11(2.4,0) 12(2.4,1.27) 13(2.4,2.54) 14(2.4,3.81)
  silkscreen extent -2.52,-4.4 0.9,4.79, body extent -3,-4.48 3,4.48, height 1.5
SOIC-16 [mm]
  oval 2.2x0.6 smd: 1(2.4,-4.445) 2(2.4,-3.175) 3(2.4,-1.905) 4(2.4,-0.635) 5(2.4,0.635) 6(2.4,1.905) 7(2.4,3.175) 8(2.4,4.445) 9(-2.4,4.445) 10(-2.4,3.175) 11(-2.4,1.905) 12(-2.4,0.635) 13(-2.4,-0.635) 14(-2.4,-1.905) 15(-2.4,-3.175) 16(-2.4,-4.445)
  silkscreen extent -0.9,-5.42 2.52,4.76, body extent -3.1,-5 3.1,5, height 1.76
SOT95P250X110-5N [mm] "SOT23, 5-Leads, Body 2,92x2,50mm, Pitch 0,95mm, IPC Medium Density"
  rect 1.22x0.6 smd: 1(-1.31,0.95) 2(-1.31,0) 3(-1.31,-0.95)
  rect 1.22x0.62 smd: 4(1.31,-0.95) 5(1.31,0.95)
  silkscreen extent -1.43,-1.5 0.5,1.94, body extent -0.87,-1.52 0.87,1.52, height 1.1
SOT95P280X100-6N [mm] "SOT23, 6-Leads, Body 2,90x2,80mm, Pitch 0,95mm, IPC Medium Density"
  rect 1.22x0.6 smd: 1(-1.31,0.95) 2(-1.31,0) 3(-1.31,-0.95) 4(1.31,-0.95) 5(1.31,0) 6(1.31,0.95)
  silkscreen extent -1.43,-1.5 0.5,1.94, body extent -0.87,-1.5 0.87,1.5, height 1
SOT-23 [mm] "SOT23, 3-Leads, Body 2.9x1.3mm, Pitch 0.95mm, Lead Span 2.5mm, IPC Medium Density"
  rect 1.3x0.6 smd: 1(-1.12,0.96) 2(-1.12,-0.94) 3(0.98,0.01)
  silkscreen extent -1.24,-1.49 0.7,1.93, body extent -1.42,-1.5 1.42,1.5, height 1.2
TP_1mm [mm]
  round 1 smd paste-1: 1(0,0)
  silkscreen extent -0.75,-0.75 0.75,0.75
TSOP65P490X110-8N [mm] "TSOP, 8-Leads, Body 3,00x3,00mm, Pitch 0,65mm, IPC Medium Density"
  rect 1.45x0.45 smd: 1(-2.2,0.975) 2(-2.2,0.325) 3(-2.2,-0.325) 4(-2.2,-0.975) 5(2.2,-0.975) 6(2.2,-0.325) 7(2.2,0.325) 8(2.2,0.975)
  silkscreen extent -2.33,-1.55 1.15,1.87, body extent -1.55,-1.55 1.55,1.55, height 1.1
TSSO5x6-G16 [mm] "Shrink Small Outline; 16 Leads; Body Width 4.4 mm; Pitch 0.65 mm"
  rect 0.3x1.65 smd: 1(-2.275,-2.775) 2(-1.625,-2.775) 3(-0.975,-2.775) 4(-0.325,-2.775) 5(0.325,-2.775) 6(0.975,-2.775) 7(1.625,-2.775) 8(2.275,-2.775) 9(2.275,2.775) 10(1.625,2.775) 11(0.975,2.775) 12(0.325,2.775) 13(-0.325,2.775) 14(-0.975,2.775) 15(-1.625,2.775) 16(-2.275,2.775)
  silkscreen extent -3.1,-2.9 2.55,1.55, body extent -2.55,-3.22 2.55,3.21, height 1.11
TSSOP38 [mm]
  oval 1.5x0.25 smd: 1(-2.75,4.5) 2(-2.75,4) 3(-2.75,3.5) 4(-2.75,3) 5(-2.75,2.5) 6(-2.75,2) 7(-2.75,1.5) 8(-2.75,1) 9(-2.75,0.5) 10(-2.75,0) 11(-2.75,-0.5) 12(-2.75,-1) 13(-2.75,-1.5) 14(-2.75,-2) 15(-2.75,-2.5) 16(-2.75,-3) 17(-2.75,-3.5) 18(-2.75,-4) 19(-2.75,-4.5) 20(2.75,-4.5) 21(2.75,-4) 22(2.75,-3.5) 23(2.75,-3) 24(2.75,-2.5) 25(2.75,-2) 26(2.75,-1.5) 27(2.75,-1) 28(2.75,-0.5) 29(2.75,0) 30(2.75,0.5) 31(2.75,1) 32(2.75,1.5) 33(2.75,2) 34(2.75,2.5) 35(2.75,3) 36(2.75,3.5) 37(2.75,4) 38(2.75,4.5)
  silkscreen extent -2.88,-4.9 1.6,5.3, body extent -2.25,-4.9 2.25,4.9, height 1.2
"WE-CBF_0805_High Current" [mm] "SMD EMI Suppression Ferrite  Bead, body 2.0mmx1.2mm"
  rect 1.4x1 smd: 1(-1.3,0) 2(1.3,0)
  silkscreen extent -2.25,-0.75 2.25,0.75, body extent -1,-0.6 1,0.6, height 0.93